# Altium PCB power-v3.1.PcbDoc (part 1 of 3)
Units mil, origin at the board's own origin, x right, y up, seen from the top; angles counter-clockwise.
Board outline 6119.76 x 3200 mil, 2 copper layers (Top Layer, Bottom Layer), stack 63.012 mil thick; 159 components, 100 nets, 465 pads, 512 vias.
Unrouted connection lines stored in the file: 96.
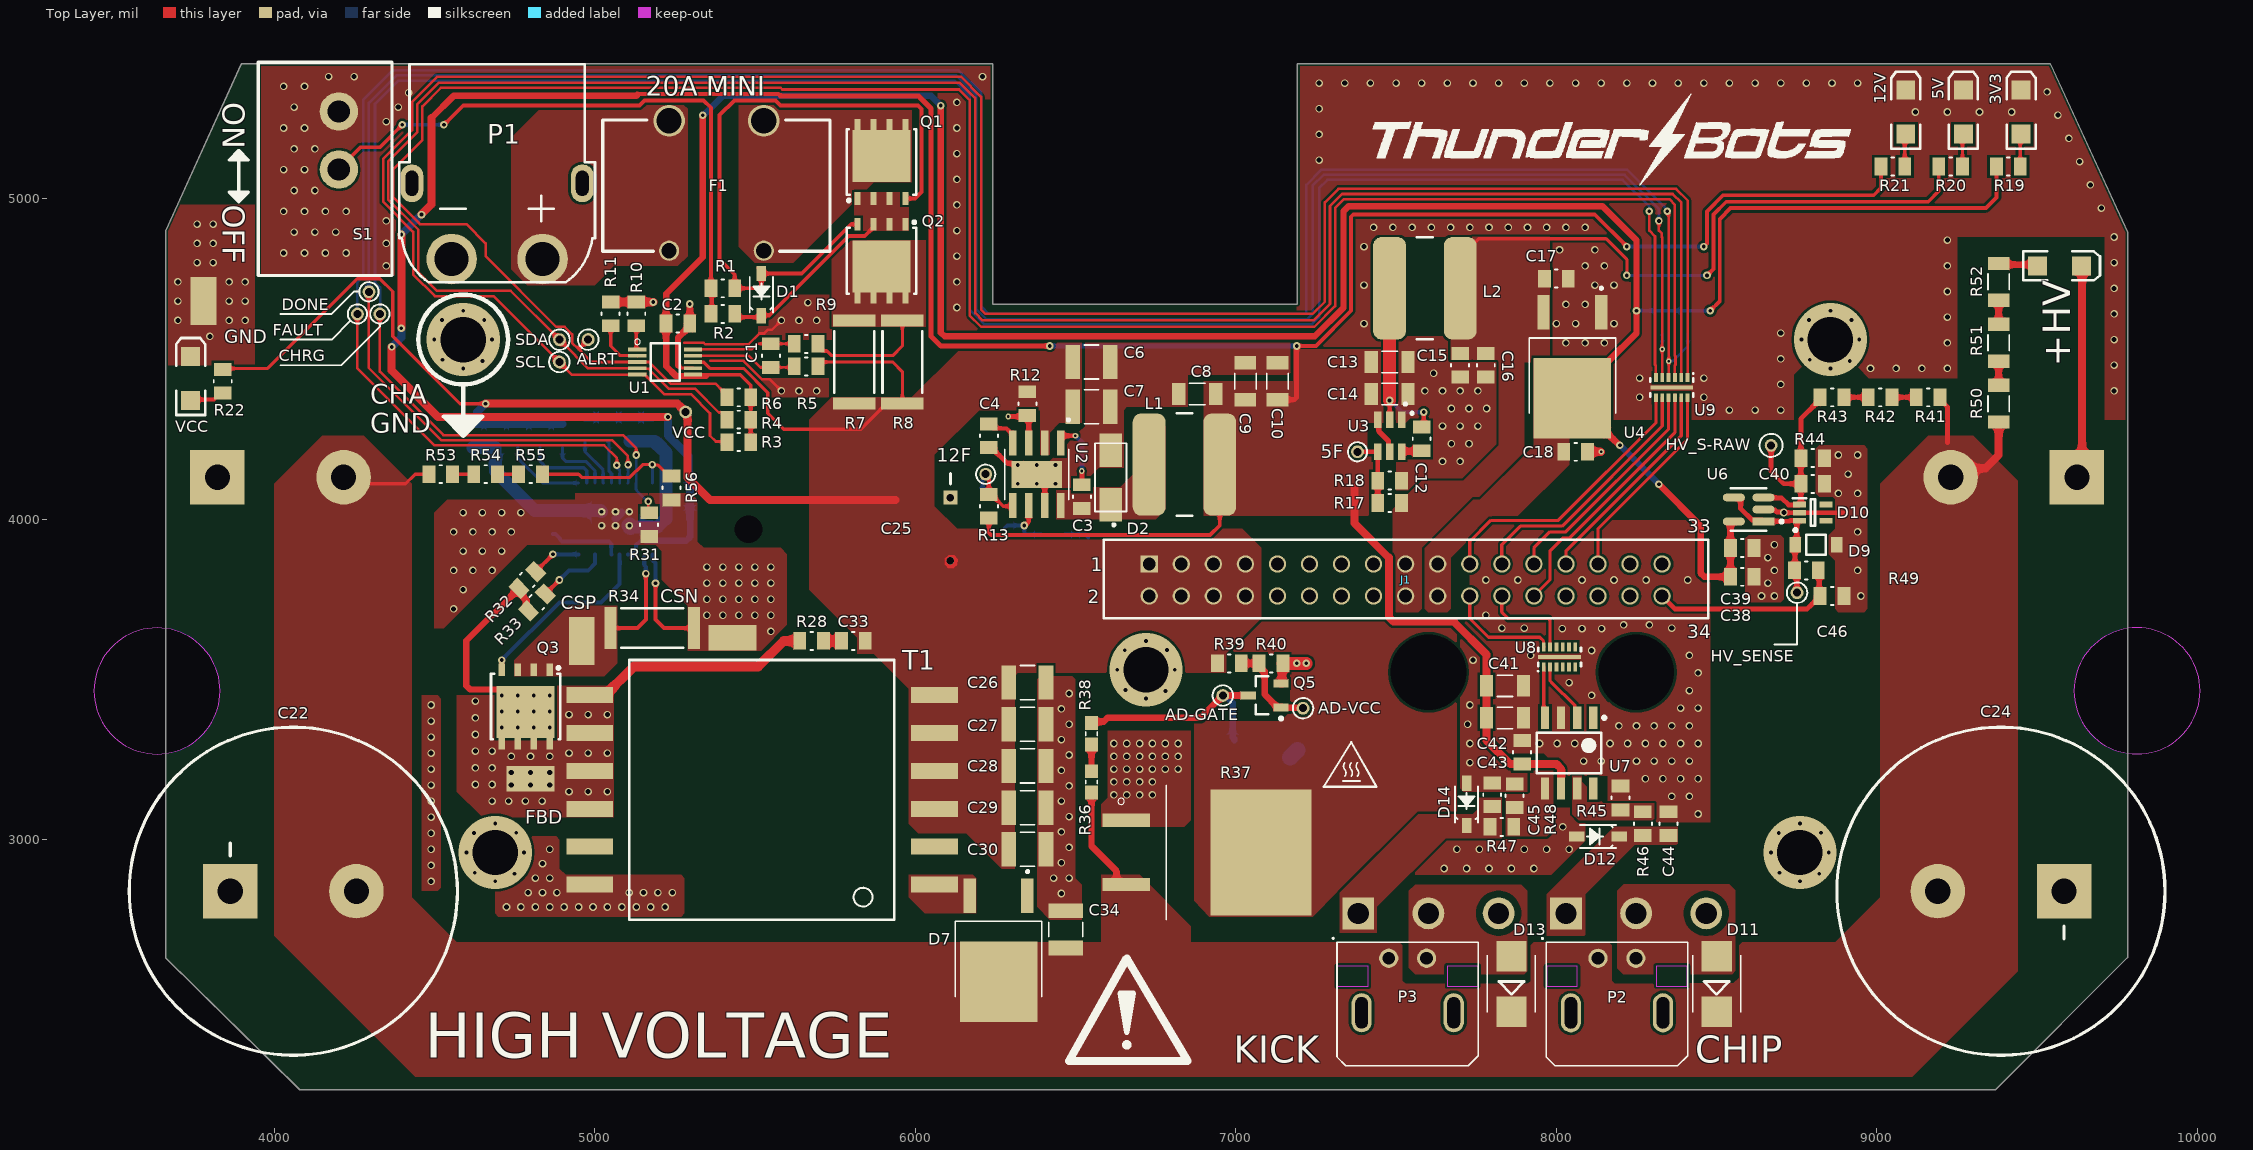
[diagram p0: Top Layer view]
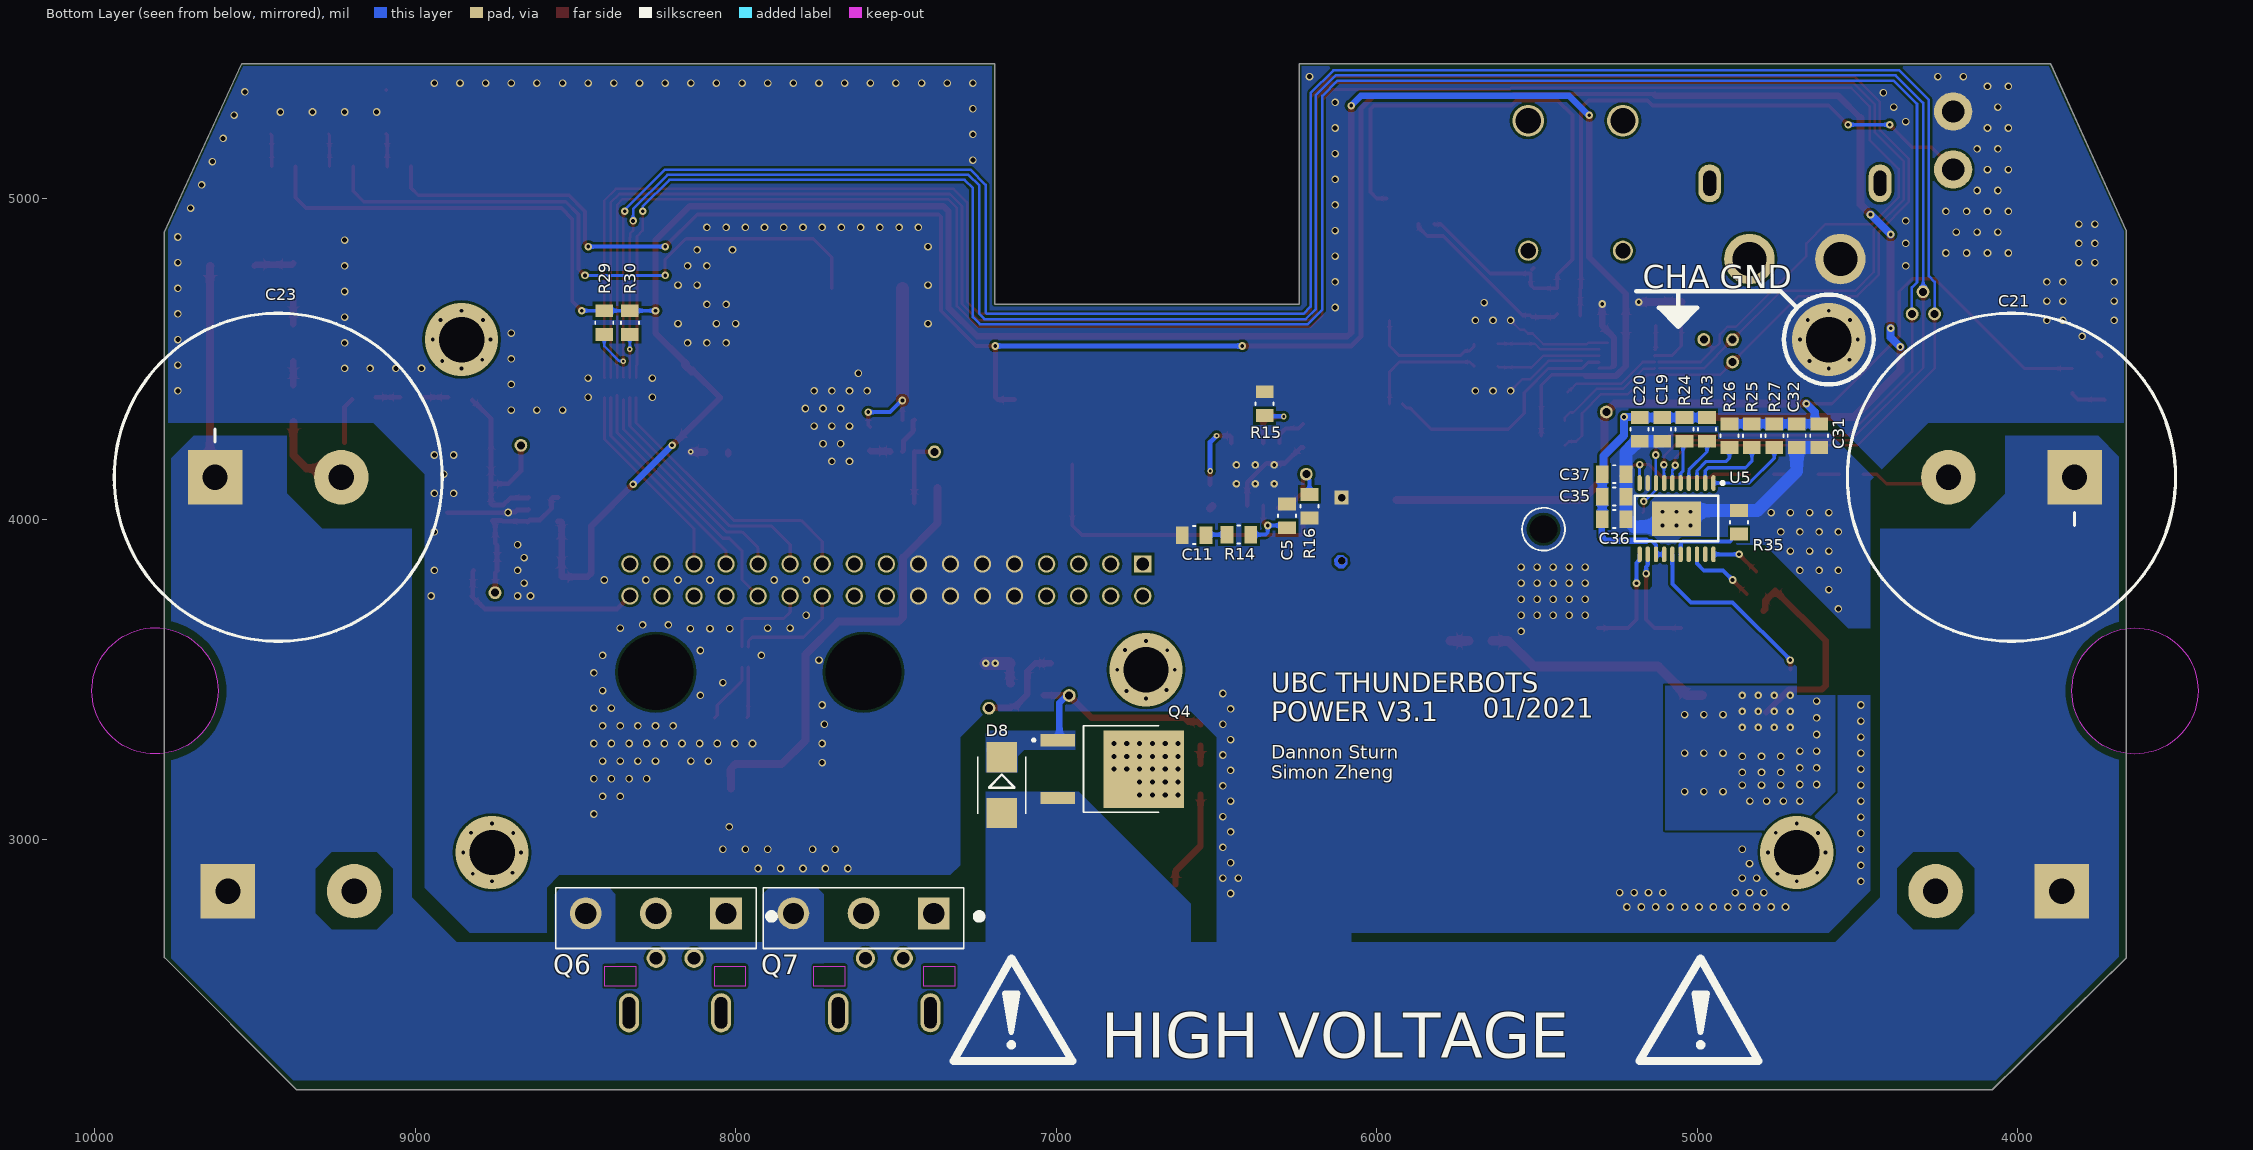
[diagram p1: Bottom Layer view, seen from below]

## Layer stack, top to bottom
Top Solder: solder mask 0.4, Solder Resist, Dk 3.5
Top Layer: signal copper 2.7559
Dielectric 1: dielectric 57.5, FR-4, Dk 4.8
Bottom Layer: signal copper 2.7559
Bottom Solder: solder mask 0.4, Solder Resist, Dk 3.5

## Board outline
9370,2220 9782.18,2632.18 9782.18,4894.73 9541.41,5420 7192.41,5420 7192.41,4670.5 6242.41,4670.5 6242.41,5420 3898.06,5420 3662.41,4899.48 3662.41,2631.16 4080,2220
cut-out: 9614.67,3464.11 ccw(c9811.52,3464.11) 9811.52,3267.26 ccw(c9811.52,3464.11) 10008.37,3464.11 ccw(c9811.52,3464.11) 9811.52,3660.96 ccw(c9811.52,3464.11)
cut-out: 3438.17,3463.95 ccw(c3635.02,3463.95) 3635.02,3267.1 ccw(c3635.02,3463.95) 3831.87,3463.95 ccw(c3635.02,3463.95) 3635.02,3660.8 ccw(c3635.02,3463.95)

## Design rules (kind name [scope] priority, off if disabled: settings)
BoardOutlineClearance [All] p1: gap=7.87 ignorepadtopadclearanceinfootprint=FALSE except(15.75: Arc-SplitBarrior Arc-SplitContinuation Track-SplitBarrior Track-SplitContinuation SMDPad-SplitBarrior SMDPad-SplitContinuation THPad-SplitBarrior THPad-SplitContinuation Via-SplitBarrior Via-SplitContinuation Fill-SplitBarrior Fill-SplitContinuation Poly-SplitBarrior Poly-SplitContinuation Region-SplitBarrior Region-SplitContinuation Text-SplitBarrior Text-SplitContinuation)
Clearance Clearance_10 [InNamedPolygon('NETD11_A_L01_P202') Or InNamedPolygon('NETD13_A_L01_P201')] p1: gap=10 ignorepadtopadclearanceinfootprint=FALSE except(0: Arc-Hole Track-Hole SMDPad-Hole THPad-Hole Via-Hole Fill-Hole Poly-Hole Region-Hole Text-Hole)
Clearance Clearance_9 [InNamedPolygon('NETD11_A_L01_P202') Or InNamedPolygon('NETD13_A_L01_P201')] p2: gap=10 ignorepadtopadclearanceinfootprint=FALSE except(0: Arc-Hole Track-Hole SMDPad-Hole THPad-Hole Via-Hole Fill-Hole Poly-Hole Region-Hole Text-Hole)
Clearance Clearance_8 [InNamedPolygon('NETD11_A_L01_P202') Or InNamedPolygon('NETD13_A_L01_P201')] p3: gap=10 ignorepadtopadclearanceinfootprint=FALSE except(0: Arc-Hole Track-Hole SMDPad-Hole THPad-Hole Via-Hole Fill-Hole Poly-Hole Region-Hole Text-Hole)
Clearance Clearance_7 [InNamedPolygon('NETD11_A_L01_P202')] p4: gap=10 ignorepadtopadclearanceinfootprint=FALSE except(0: Arc-Hole Track-Hole SMDPad-Hole THPad-Hole Via-Hole Fill-Hole Poly-Hole Region-Hole Text-Hole)
Clearance Clearance_6 [InNamedPolygon('NETD13_A_L01_P201')] p5: gap=10 ignorepadtopadclearanceinfootprint=FALSE except(0: Arc-Hole Track-Hole SMDPad-Hole THPad-Hole Via-Hole Fill-Hole Poly-Hole Region-Hole Text-Hole)
Clearance Clearance_5 [InNamedPolygon('NETD11_A_L01_P202')] p6: gap=20 ignorepadtopadclearanceinfootprint=FALSE
Clearance Clearance_4 [InNamedPolygon('NETD13_A_L01_P201')] p7: gap=10 ignorepadtopadclearanceinfootprint=FALSE except(0: Arc-Hole Track-Hole SMDPad-Hole THPad-Hole Via-Hole Fill-Hole Poly-Hole Region-Hole Text-Hole)
Clearance "Stitching GND" [IsStitchingVia and InNet('GND') vs (IsVia and (Not IsStitchingVia)) Or IsPad] p8: gap=8 ignorepadtopadclearanceinfootprint=FALSE
Clearance "Stitching NetQ4_D" [IsStitchingVia and InNet('NetQ4_D') vs (IsVia and (Not IsStitchingVia)) Or IsPad] p9: gap=8 ignorepadtopadclearanceinfootprint=FALSE
Clearance Clearance_3 [InNamedPolygon('+HV_L01_P024') Or InNamedPolygon('+HV_L01_P026') Or InNamedPolygon('+HV_L01_P077') Or InNamedPolygon('+HV_L01_P089') Or InNamedPolygon('+HV_L01_P094')] p10: gap=10 ignorepadtopadclearanceinfootprint=FALSE except(0: Arc-Hole Track-Hole SMDPad-Hole THPad-Hole Via-Hole Fill-Hole Poly-Hole Region-Hole Text-Hole)
Clearance Clearance_2 [InNamedPolygon('NONET_L01_P024') Or InNamedPolygon('NONET_L01_P026')] p11: gap=10 ignorepadtopadclearanceinfootprint=FALSE except(0: Arc-Hole Track-Hole SMDPad-Hole THPad-Hole Via-Hole Fill-Hole Poly-Hole Region-Hole Text-Hole)
Clearance Clearance_1 [InNamedPolygon('NONET_L01_P024') Or InNamedPolygon('NONET_L01_P026')] p12: gap=10 ignorepadtopadclearanceinfootprint=FALSE except(0: Arc-Hole Track-Hole SMDPad-Hole THPad-Hole Via-Hole Fill-Hole Poly-Hole Region-Hole Text-Hole)
Clearance "Clearance Bottom Layer" [OnLayer('Bottom Layer')] p13: gap=8 ignorepadtopadclearanceinfootprint=TRUE except(10: Arc-Text Track-Text SMDPad-Text THPad-Text Via-Text Fill-Text Poly-Text Region-Text Text-Text)
Clearance "Clearance Top Layer" [OnLayer('Top Layer')] p14: gap=8 ignorepadtopadclearanceinfootprint=TRUE except(10: Arc-Text Track-Text SMDPad-Text THPad-Text Via-Text Fill-Text Poly-Text Region-Text Text-Text)
Clearance [All] p15: gap=7.87 ignorepadtopadclearanceinfootprint=FALSE except(3.5: Arc-Arc Arc-Track Arc-SMDPad Track-Track Track-SMDPad SMDPad-SMDPad; 5: Arc-Via Track-Via SMDPad-Via THPad-Via Via-Via; 10: Arc-Text Track-Text SMDPad-Text THPad-Text Via-Text Fill-Text Poly-Text Region-Text Text-Text)
HoleSize [All] p1: absolutevalues=TRUE maxlimit=248.03 minlimit=7.87 maxpercent=80.000 minpercent=20.000
MinimumAnnularRing [All] p1: minimumring=3
MinimumSolderMaskSliver [All] p1: minsoldermaskwidth=3.94
PolygonConnect PolygonConnect_43 [All vs IsNamedPolygon('+HV_L01_P166') Or IsNamedPolygon('+HV_L01_P169') Or IsNamedPolygon('+HV_L01_P175') Or IsNamedPolygon('+HV_L01_P177') Or IsNamedPolygon('+HV_L01_P190') Or IsNamedPolygon('+VBAT_L01_P195') Or IsNamedPolygon('3V3_L01_P178') Or IsNamedPolygon('5V_L01_P174') Or IsNamedPolygon('5V_L01_P228') Or IsNamedPolygon('12V_L01_P172') Or IsNamedPolygon('CHIP_GATE_L01_P206') Or IsNamedPolygon('GND_L01_P165') Or IsNamedPolygon('GND_L01_P183') Or IsNamedPolygon('GND_L01_P187') Or IsNamedPolygon('GND_L01_P189') Or IsNamedPolygon('GND_L01_P192') Or IsNamedPolygon('GND_L01_P208') Or IsNamedPolygon('GND_L01_P212') Or IsNamedPolygon('GND_L01_P213') Or IsNamedPolygon('GND_L01_P214') Or IsNamedPolygon('GND_L01_P218') Or IsNamedPolygon('GND_L01_P219') Or IsNamedPolygon('GND_L01_P220') Or IsNamedPolygon('GND_L01_P221') Or IsNamedPolygon('GND_L01_P222') Or IsNamedPolygon('GND_L01_P223') Or IsNamedPolygon('GND_L01_P224') Or IsNamedPolygon('GND_L01_P225') Or IsNamedPolygon('GND_L01_P229') Or IsNamedPolygon('GND_L01_P230') Or IsNamedPolygon('GND_L01_P231') Or IsNamedPolygon('KICK_GATE_L01_P205') Or IsNamedPolygon('LT_CSP_L01_P171') Or IsNamedPolygon('NETC3_2_L01_P226') Or IsNamedPolygon('NETC44_2_L01_P216') Or IsNamedPolygon('NETC45_2_L01_P215') Or IsNamedPolygon('NETD1_C_L01_P194') Or IsNamedPolygon('NETD7_IN_L01_P185') Or IsNamedPolygon('NETD11_A_L01_P202') Or IsNamedPolygon('NETD13_A_L01_P201') Or IsNamedPolygon('NETF1_1_L01_P198') Or IsNamedPolygon('NETQ3_D_L01_P182') Or IsNamedPolygon('NETQ4_D_L01_P191') Or IsNamedPolygon('NETR37_3_L01_P217') Or IsNamedPolygon('NONET_L01_P-001') Or IsNamedPolygon('NONET_L01_P-001') Or IsNamedPolygon('VCC_L01_P170') Or IsNamedPolygon('VCC_L01_P209') Or IsNamedPolygon('VCC_L01_P211') Or IsNamedPolygon('VCC_L01_P227') Or IsNamedPolygon('VCC_RPP_L01_P200') Or IsNamedPolygon('GND_L02_P167') Or IsNamedPolygon('GND_L02_P168') Or IsNamedPolygon('GND_L02_P197') Or IsNamedPolygon('GND_L02_P199') Or IsNamedPolygon('GND_L02_P203') Or IsNamedPolygon('GND_L02_P232') Or IsNamedPolygon('NETD8_C_L02_P186') Or IsNamedPolygon('NONET_L01_P-001')] p1: connectstyle=Direct reliefconductorwidth=10 reliefentries=4 polygonreliefangle="90 Angle" airgapwidth=10
PolygonConnect PolygonConnect_42 [All vs IsNamedPolygon('GND_L01_P165') Or IsNamedPolygon('+HV_L01_P166') Or IsNamedPolygon('+HV_L01_P169') Or IsNamedPolygon('VCC_L01_P170') Or IsNamedPolygon('+HV_L01_P171') Or IsNamedPolygon('+HV_L01_P172') Or IsNamedPolygon('LT_CSP_L01_P174') Or IsNamedPolygon('12V_L01_P175') Or IsNamedPolygon('5V_L01_P177') Or IsNamedPolygon('3V3_L01_P178') Or IsNamedPolygon('NETQ3_D_L01_P182') Or IsNamedPolygon('GND_L01_P183') Or IsNamedPolygon('NETD7_IN_L01_P185') Or IsNamedPolygon('GND_L01_P187') Or IsNamedPolygon('GND_L01_P189') Or IsNamedPolygon('+HV_L01_P190') Or IsNamedPolygon('NETQ4_D_L01_P191') Or IsNamedPolygon('GND_L01_P192') Or IsNamedPolygon('NETD1_C_L01_P194') Or IsNamedPolygon('+VBAT_L01_P195') Or IsNamedPolygon('NETF1_1_L01_P198') Or IsNamedPolygon('VCC_RPP_L01_P200') Or IsNamedPolygon('NETD13_A_L01_P201') Or IsNamedPolygon('NETD11_A_L01_P202') Or IsNamedPolygon('KICK_GATE_L01_P205') Or IsNamedPolygon('CHIP_GATE_L01_P206') Or IsNamedPolygon('GND_L01_P208') Or IsNamedPolygon('VCC_L01_P209') Or IsNamedPolygon('VCC_L01_P211') Or IsNamedPolygon('GND_L01_P212') Or IsNamedPolygon('GND_L01_P213') Or IsNamedPolygon('GND_L01_P214') Or IsNamedPolygon('NETC45_2_L01_P215') Or IsNamedPolygon('NETC44_2_L01_P216') Or IsNamedPolygon('NETR37_3_L01_P217') Or IsNamedPolygon('GND_L01_P218') Or IsNamedPolygon('GND_L01_P219') Or IsNamedPolygon('GND_L01_P220') Or IsNamedPolygon('GND_L01_P221') Or IsNamedPolygon('GND_L01_P222') Or IsNamedPolygon('GND_L01_P223') Or IsNamedPolygon('GND_L01_P224') Or IsNamedPolygon('GND_L01_P225') Or IsNamedPolygon('NETC3_2_L01_P226') Or IsNamedPolygon('VCC_L01_P227') Or IsNamedPolygon('5V_L01_P228') Or IsNamedPolygon('GND_L01_P229') Or IsNamedPolygon('GND_L01_P230') Or IsNamedPolygon('GND_L01_P231') Or IsNamedPolygon('NONET_L01_P-001') Or IsNamedPolygon('NONET_L01_P-001') Or IsNamedPolygon('GND_L02_P167') Or IsNamedPolygon('GND_L02_P168') Or IsNamedPolygon('NETD8_C_L02_P186') Or IsNamedPolygon('NONET_L01_P-001') Or IsNamedPolygon('GND_L02_P197') Or IsNamedPolygon('GND_L02_P199') Or IsNamedPolygon('GND_L02_P203') Or IsNamedPolygon('GND_L02_P232')] p2: connectstyle=Direct reliefconductorwidth=10 reliefentries=4 polygonreliefangle="90 Angle" airgapwidth=10
PolygonConnect PolygonConnect_41 [All vs IsNamedPolygon('NONET_L01_P-001') Or IsNamedPolygon('GND_L01_P165') Or IsNamedPolygon('+HV_L01_P166') Or IsNamedPolygon('+HV_L01_P169') Or IsNamedPolygon('+HV_L01_P170') Or IsNamedPolygon('+HV_L01_P171') Or IsNamedPolygon('VCC_L01_P172') Or IsNamedPolygon('LT_CSP_L01_P174') Or IsNamedPolygon('12V_L01_P175') Or IsNamedPolygon('5V_L01_P177') Or IsNamedPolygon('3V3_L01_P178') Or IsNamedPolygon('NETQ3_D_L01_P182') Or IsNamedPolygon('GND_L01_P183') Or IsNamedPolygon('NETD7_IN_L01_P185') Or IsNamedPolygon('GND_L01_P187') Or IsNamedPolygon('GND_L01_P189') Or IsNamedPolygon('+HV_L01_P190') Or IsNamedPolygon('NETQ4_D_L01_P191') Or IsNamedPolygon('GND_L01_P192') Or IsNamedPolygon('NETD1_C_L01_P194') Or IsNamedPolygon('+VBAT_L01_P195') Or IsNamedPolygon('NETF1_1_L01_P198') Or IsNamedPolygon('VCC_RPP_L01_P200') Or IsNamedPolygon('NETD13_A_L01_P201') Or IsNamedPolygon('NETD11_A_L01_P202') Or IsNamedPolygon('KICK_GATE_L01_P205') Or IsNamedPolygon('CHIP_GATE_L01_P206') Or IsNamedPolygon('GND_L01_P208') Or IsNamedPolygon('VCC_L01_P209') Or IsNamedPolygon('VCC_L01_P211') Or IsNamedPolygon('GND_L01_P212') Or IsNamedPolygon('GND_L01_P213') Or IsNamedPolygon('GND_L01_P214') Or IsNamedPolygon('NETC45_2_L01_P215') Or IsNamedPolygon('NETC44_2_L01_P216') Or IsNamedPolygon('NETR37_3_L01_P217') Or IsNamedPolygon('GND_L01_P218') Or IsNamedPolygon('GND_L01_P219') Or IsNamedPolygon('GND_L01_P220') Or IsNamedPolygon('GND_L01_P221') Or IsNamedPolygon('GND_L01_P222') Or IsNamedPolygon('GND_L01_P223') Or IsNamedPolygon('GND_L01_P224') Or IsNamedPolygon('GND_L01_P225') Or IsNamedPolygon('NETC3_2_L01_P226') Or IsNamedPolygon('VCC_L01_P227') Or IsNamedPolygon('5V_L01_P228') Or IsNamedPolygon('GND_L01_P229') Or IsNamedPolygon('GND_L01_P230') Or IsNamedPolygon('GND_L01_P231') Or IsNamedPolygon('NONET_L01_P-001') Or IsNamedPolygon('NONET_L01_P-001') Or IsNamedPolygon('GND_L02_P167') Or IsNamedPolygon('GND_L02_P168') Or IsNamedPolygon('NETD8_C_L02_P186') Or IsNamedPolygon('NONET_L01_P-001') Or IsNamedPolygon('GND_L02_P197') Or IsNamedPolygon('GND_L02_P199') Or IsNamedPolygon('GND_L02_P203') Or IsNamedPolygon('GND_L02_P232')] p3: connectstyle=Direct reliefconductorwidth=10 reliefentries=4 polygonreliefangle="90 Angle" airgapwidth=10
PolygonConnect PolygonConnect_40 [All vs IsNamedPolygon('+HV_L01_P166') Or IsNamedPolygon('+HV_L01_P169') Or IsNamedPolygon('+HV_L01_P187') Or IsNamedPolygon('+HV_L01_P198') Or IsNamedPolygon('+HV_L01_P200') Or IsNamedPolygon('+VBAT_L01_P195') Or IsNamedPolygon('3V3_L01_P175') Or IsNamedPolygon('5V_L01_P174') Or IsNamedPolygon('5V_L01_P228') Or IsNamedPolygon('12V_L01_P172') Or IsNamedPolygon('CHIP_GATE_L01_P206') Or IsNamedPolygon('GND_L01_P165') Or IsNamedPolygon('GND_L01_P178') Or IsNamedPolygon('GND_L01_P183') Or IsNamedPolygon('GND_L01_P185') Or IsNamedPolygon('GND_L01_P190') Or IsNamedPolygon('GND_L01_P208') Or IsNamedPolygon('GND_L01_P212') Or IsNamedPolygon('GND_L01_P213') Or IsNamedPolygon('GND_L01_P214') Or IsNamedPolygon('GND_L01_P218') Or IsNamedPolygon('GND_L01_P219') Or IsNamedPolygon('GND_L01_P220') Or IsNamedPolygon('GND_L01_P221') Or IsNamedPolygon('GND_L01_P222') Or IsNamedPolygon('GND_L01_P223') Or IsNamedPolygon('GND_L01_P224') Or IsNamedPolygon('GND_L01_P225') Or IsNamedPolygon('GND_L01_P229') Or IsNamedPolygon('GND_L01_P230') Or IsNamedPolygon('GND_L01_P231') Or IsNamedPolygon('KICK_GATE_L01_P205') Or IsNamedPolygon('LT_CSP_L01_P171') Or IsNamedPolygon('NETC3_2_L01_P226') Or IsNamedPolygon('NETC44_2_L01_P216') Or IsNamedPolygon('NETC45_2_L01_P215') Or IsNamedPolygon('NETD1_C_L01_P191') Or IsNamedPolygon('NETD7_IN_L01_P182') Or IsNamedPolygon('NETD11_A_L01_P202') Or IsNamedPolygon('NETD13_A_L01_P201') Or IsNamedPolygon('NETF1_1_L01_P194') Or IsNamedPolygon('NETQ3_D_L01_P177') Or IsNamedPolygon('NETQ4_D_L01_P189') Or IsNamedPolygon('NETR37_3_L01_P217') Or IsNamedPolygon('NONET_L01_P-001') Or IsNamedPolygon('VCC_L01_P170') Or IsNamedPolygon('VCC_L01_P209') Or IsNamedPolygon('VCC_L01_P211') Or IsNamedPolygon('VCC_L01_P227') Or IsNamedPolygon('VCC_RPP_L01_P195') Or IsNamedPolygon('GND_L02_P167') Or IsNamedPolygon('GND_L02_P168') Or IsNamedPolygon('GND_L02_P197') Or IsNamedPolygon('GND_L02_P199') Or IsNamedPolygon('GND_L02_P203') Or IsNamedPolygon('GND_L02_P232') Or IsNamedPolygon('NETD8_C_L02_P186') Or IsNamedPolygon('NONET_L01_P-001')] p4: connectstyle=Direct reliefconductorwidth=10 reliefentries=4 polygonreliefangle="90 Angle" airgapwidth=10
PolygonConnect PolygonConnect_39 [All vs IsNamedPolygon('+HV_L01_P166') Or IsNamedPolygon('+HV_L01_P169') Or IsNamedPolygon('+HV_L01_P187') Or IsNamedPolygon('+HV_L01_P198') Or IsNamedPolygon('+HV_L01_P200') Or IsNamedPolygon('+VBAT_L01_P195') Or IsNamedPolygon('3V3_L01_P175') Or IsNamedPolygon('5V_L01_P174') Or IsNamedPolygon('5V_L01_P228') Or IsNamedPolygon('12V_L01_P172') Or IsNamedPolygon('CHIP_GATE_L01_P206') Or IsNamedPolygon('GND_L01_P165') Or IsNamedPolygon('GND_L01_P178') Or IsNamedPolygon('GND_L01_P183') Or IsNamedPolygon('GND_L01_P185') Or IsNamedPolygon('GND_L01_P190') Or IsNamedPolygon('GND_L01_P208') Or IsNamedPolygon('GND_L01_P212') Or IsNamedPolygon('GND_L01_P213') Or IsNamedPolygon('GND_L01_P214') Or IsNamedPolygon('GND_L01_P218') Or IsNamedPolygon('GND_L01_P219') Or IsNamedPolygon('GND_L01_P220') Or IsNamedPolygon('GND_L01_P221') Or IsNamedPolygon('GND_L01_P222') Or IsNamedPolygon('GND_L01_P223') Or IsNamedPolygon('GND_L01_P224') Or IsNamedPolygon('GND_L01_P225') Or IsNamedPolygon('GND_L01_P229') Or IsNamedPolygon('GND_L01_P230') Or IsNamedPolygon('GND_L01_P231') Or IsNamedPolygon('KICK_GATE_L01_P205') Or IsNamedPolygon('LT_CSP_L01_P171') Or IsNamedPolygon('NETC3_2_L01_P226') Or IsNamedPolygon('NETC44_2_L01_P216') Or IsNamedPolygon('NETC45_2_L01_P215') Or IsNamedPolygon('NETD1_C_L01_P191') Or IsNamedPolygon('NETD7_IN_L01_P182') Or IsNamedPolygon('NETD11_A_L01_P202') Or IsNamedPolygon('NETD13_A_L01_P201') Or IsNamedPolygon('NETF1_1_L01_P194') Or IsNamedPolygon('NETQ3_D_L01_P177') Or IsNamedPolygon('NETQ4_D_L01_P189') Or IsNamedPolygon('NETR37_3_L01_P217') Or IsNamedPolygon('VCC_L01_P170') Or IsNamedPolygon('VCC_L01_P209') Or IsNamedPolygon('VCC_L01_P211') Or IsNamedPolygon('VCC_L01_P227') Or IsNamedPolygon('VCC_RPP_L01_P195') Or IsNamedPolygon('GND_L02_P167') Or IsNamedPolygon('GND_L02_P168') Or IsNamedPolygon('GND_L02_P193') Or IsNamedPolygon('GND_L02_P197') Or IsNamedPolygon('GND_L02_P199') Or IsNamedPolygon('GND_L02_P203') Or IsNamedPolygon('NETD8_C_L02_P186')] p5: connectstyle=Direct reliefconductorwidth=10 reliefentries=4 polygonreliefangle="90 Angle" airgapwidth=10
PolygonConnect PolygonConnect_38 [All vs IsNamedPolygon('+HV_L01_P166') Or IsNamedPolygon('+HV_L01_P169') Or IsNamedPolygon('+HV_L01_P187') Or IsNamedPolygon('+HV_L01_P198') Or IsNamedPolygon('+HV_L01_P200') Or IsNamedPolygon('+VBAT_L01_P195') Or IsNamedPolygon('3V3_L01_P175') Or IsNamedPolygon('5V_L01_P174') Or IsNamedPolygon('5V_L01_P228') Or IsNamedPolygon('12V_L01_P172') Or IsNamedPolygon('CHIP_GATE_L01_P206') Or IsNamedPolygon('GND_L01_P165') Or IsNamedPolygon('GND_L01_P178') Or IsNamedPolygon('GND_L01_P183') Or IsNamedPolygon('GND_L01_P185') Or IsNamedPolygon('GND_L01_P190') Or IsNamedPolygon('GND_L01_P208') Or IsNamedPolygon('GND_L01_P212') Or IsNamedPolygon('GND_L01_P213') Or IsNamedPolygon('GND_L01_P214') Or IsNamedPolygon('GND_L01_P218') Or IsNamedPolygon('GND_L01_P219') Or IsNamedPolygon('GND_L01_P220') Or IsNamedPolygon('GND_L01_P221') Or IsNamedPolygon('GND_L01_P222') Or IsNamedPolygon('GND_L01_P223') Or IsNamedPolygon('GND_L01_P224') Or IsNamedPolygon('GND_L01_P225') Or IsNamedPolygon('GND_L01_P229') Or IsNamedPolygon('GND_L01_P230') Or IsNamedPolygon('GND_L01_P231') Or IsNamedPolygon('KICK_GATE_L01_P205') Or IsNamedPolygon('LT_CSP_L01_P171') Or IsNamedPolygon('NETC3_2_L01_P226') Or IsNamedPolygon('NETC44_2_L01_P216') Or IsNamedPolygon('NETC45_2_L01_P215') Or IsNamedPolygon('NETD1_C_L01_P191') Or IsNamedPolygon('NETD7_IN_L01_P182') Or IsNamedPolygon('NETD11_A_L01_P202') Or IsNamedPolygon('NETD13_A_L01_P201') Or IsNamedPolygon('NETF1_1_L01_P194') Or IsNamedPolygon('NETQ3_D_L01_P177') Or IsNamedPolygon('NETQ4_D_L01_P189') Or IsNamedPolygon('NETR36_3_L01_P217') Or IsNamedPolygon('VCC_L01_P170') Or IsNamedPolygon('VCC_L01_P209') Or IsNamedPolygon('VCC_L01_P211') Or IsNamedPolygon('VCC_L01_P227') Or IsNamedPolygon('VCC_RPP_L01_P195') Or IsNamedPolygon('GND_L02_P167') Or IsNamedPolygon('GND_L02_P168') Or IsNamedPolygon('GND_L02_P193') Or IsNamedPolygon('GND_L02_P197') Or IsNamedPolygon('GND_L02_P199') Or IsNamedPolygon('GND_L02_P203') Or IsNamedPolygon('NETD8_C_L02_P186')] p6: connectstyle=Direct reliefconductorwidth=10 reliefentries=4 polygonreliefangle="90 Angle" airgapwidth=10
PolygonConnect PolygonConnect_37 [All vs IsNamedPolygon('+HV_L01_P166') Or IsNamedPolygon('+HV_L01_P169') Or IsNamedPolygon('+HV_L01_P187') Or IsNamedPolygon('+HV_L01_P198') Or IsNamedPolygon('+HV_L01_P200') Or IsNamedPolygon('+VBAT_L01_P195') Or IsNamedPolygon('3V3_L01_P175') Or IsNamedPolygon('5V_L01_P174') Or IsNamedPolygon('5V_L01_P228') Or IsNamedPolygon('12V_L01_P172') Or IsNamedPolygon('CHIP_GATE_L01_P206') Or IsNamedPolygon('GND_L01_P165') Or IsNamedPolygon('GND_L01_P178') Or IsNamedPolygon('GND_L01_P183') Or IsNamedPolygon('GND_L01_P185') Or IsNamedPolygon('GND_L01_P190') Or IsNamedPolygon('GND_L01_P208') Or IsNamedPolygon('GND_L01_P212') Or IsNamedPolygon('GND_L01_P213') Or IsNamedPolygon('GND_L01_P214') Or IsNamedPolygon('GND_L01_P218') Or IsNamedPolygon('GND_L01_P219') Or IsNamedPolygon('GND_L01_P220') Or IsNamedPolygon('GND_L01_P221') Or IsNamedPolygon('GND_L01_P222') Or IsNamedPolygon('GND_L01_P223') Or IsNamedPolygon('GND_L01_P224') Or IsNamedPolygon('GND_L01_P225') Or IsNamedPolygon('GND_L01_P229') Or IsNamedPolygon('GND_L01_P230') Or IsNamedPolygon('KICK_GATE_L01_P205') Or IsNamedPolygon('LT_CSP_L01_P171') Or IsNamedPolygon('NETC3_2_L01_P226') Or IsNamedPolygon('NETC44_2_L01_P216') Or IsNamedPolygon('NETC45_2_L01_P215') Or IsNamedPolygon('NETD1_C_L01_P194') Or IsNamedPolygon('NETD7_IN_L01_P182') Or IsNamedPolygon('NETD11_A_L01_P202') Or IsNamedPolygon('NETD13_A_L01_P201') Or IsNamedPolygon('NETF1_1_L01_P192') Or IsNamedPolygon('NETQ3_D_L01_P177') Or IsNamedPolygon('NETQ4_D_L01_P189') Or IsNamedPolygon('NETR36_3_L01_P217') Or IsNamedPolygon('VCC_L01_P170') Or IsNamedPolygon('VCC_L01_P209') Or IsNamedPolygon('VCC_L01_P211') Or IsNamedPolygon('VCC_L01_P227') Or IsNamedPolygon('VCC_RPP_L01_P195') Or IsNamedPolygon('GND_L02_P167') Or IsNamedPolygon('GND_L02_P168') Or IsNamedPolygon('GND_L02_P193') Or IsNamedPolygon('GND_L02_P197') Or IsNamedPolygon('GND_L02_P199') Or IsNamedPolygon('GND_L02_P203') Or IsNamedPolygon('NETD8_C_L02_P186')] p7: connectstyle=Direct reliefconductorwidth=10 reliefentries=4 polygonreliefangle="90 Angle" airgapwidth=10